# Altium PCB MB V3.PcbDoc (part 2 of 4)
Units mil, origin at the board's own origin, x right, y up, seen from the top; angles counter-clockwise.
Board outline 7875 x 7012 mil, 4 copper layers (Top Layer, Mid Top, Mid Bottom, Bottom Layer), stack 23.756 mil thick; 247 components, 228 nets, 947 pads, 302 vias.
Unrouted connection lines stored in the file: 2.
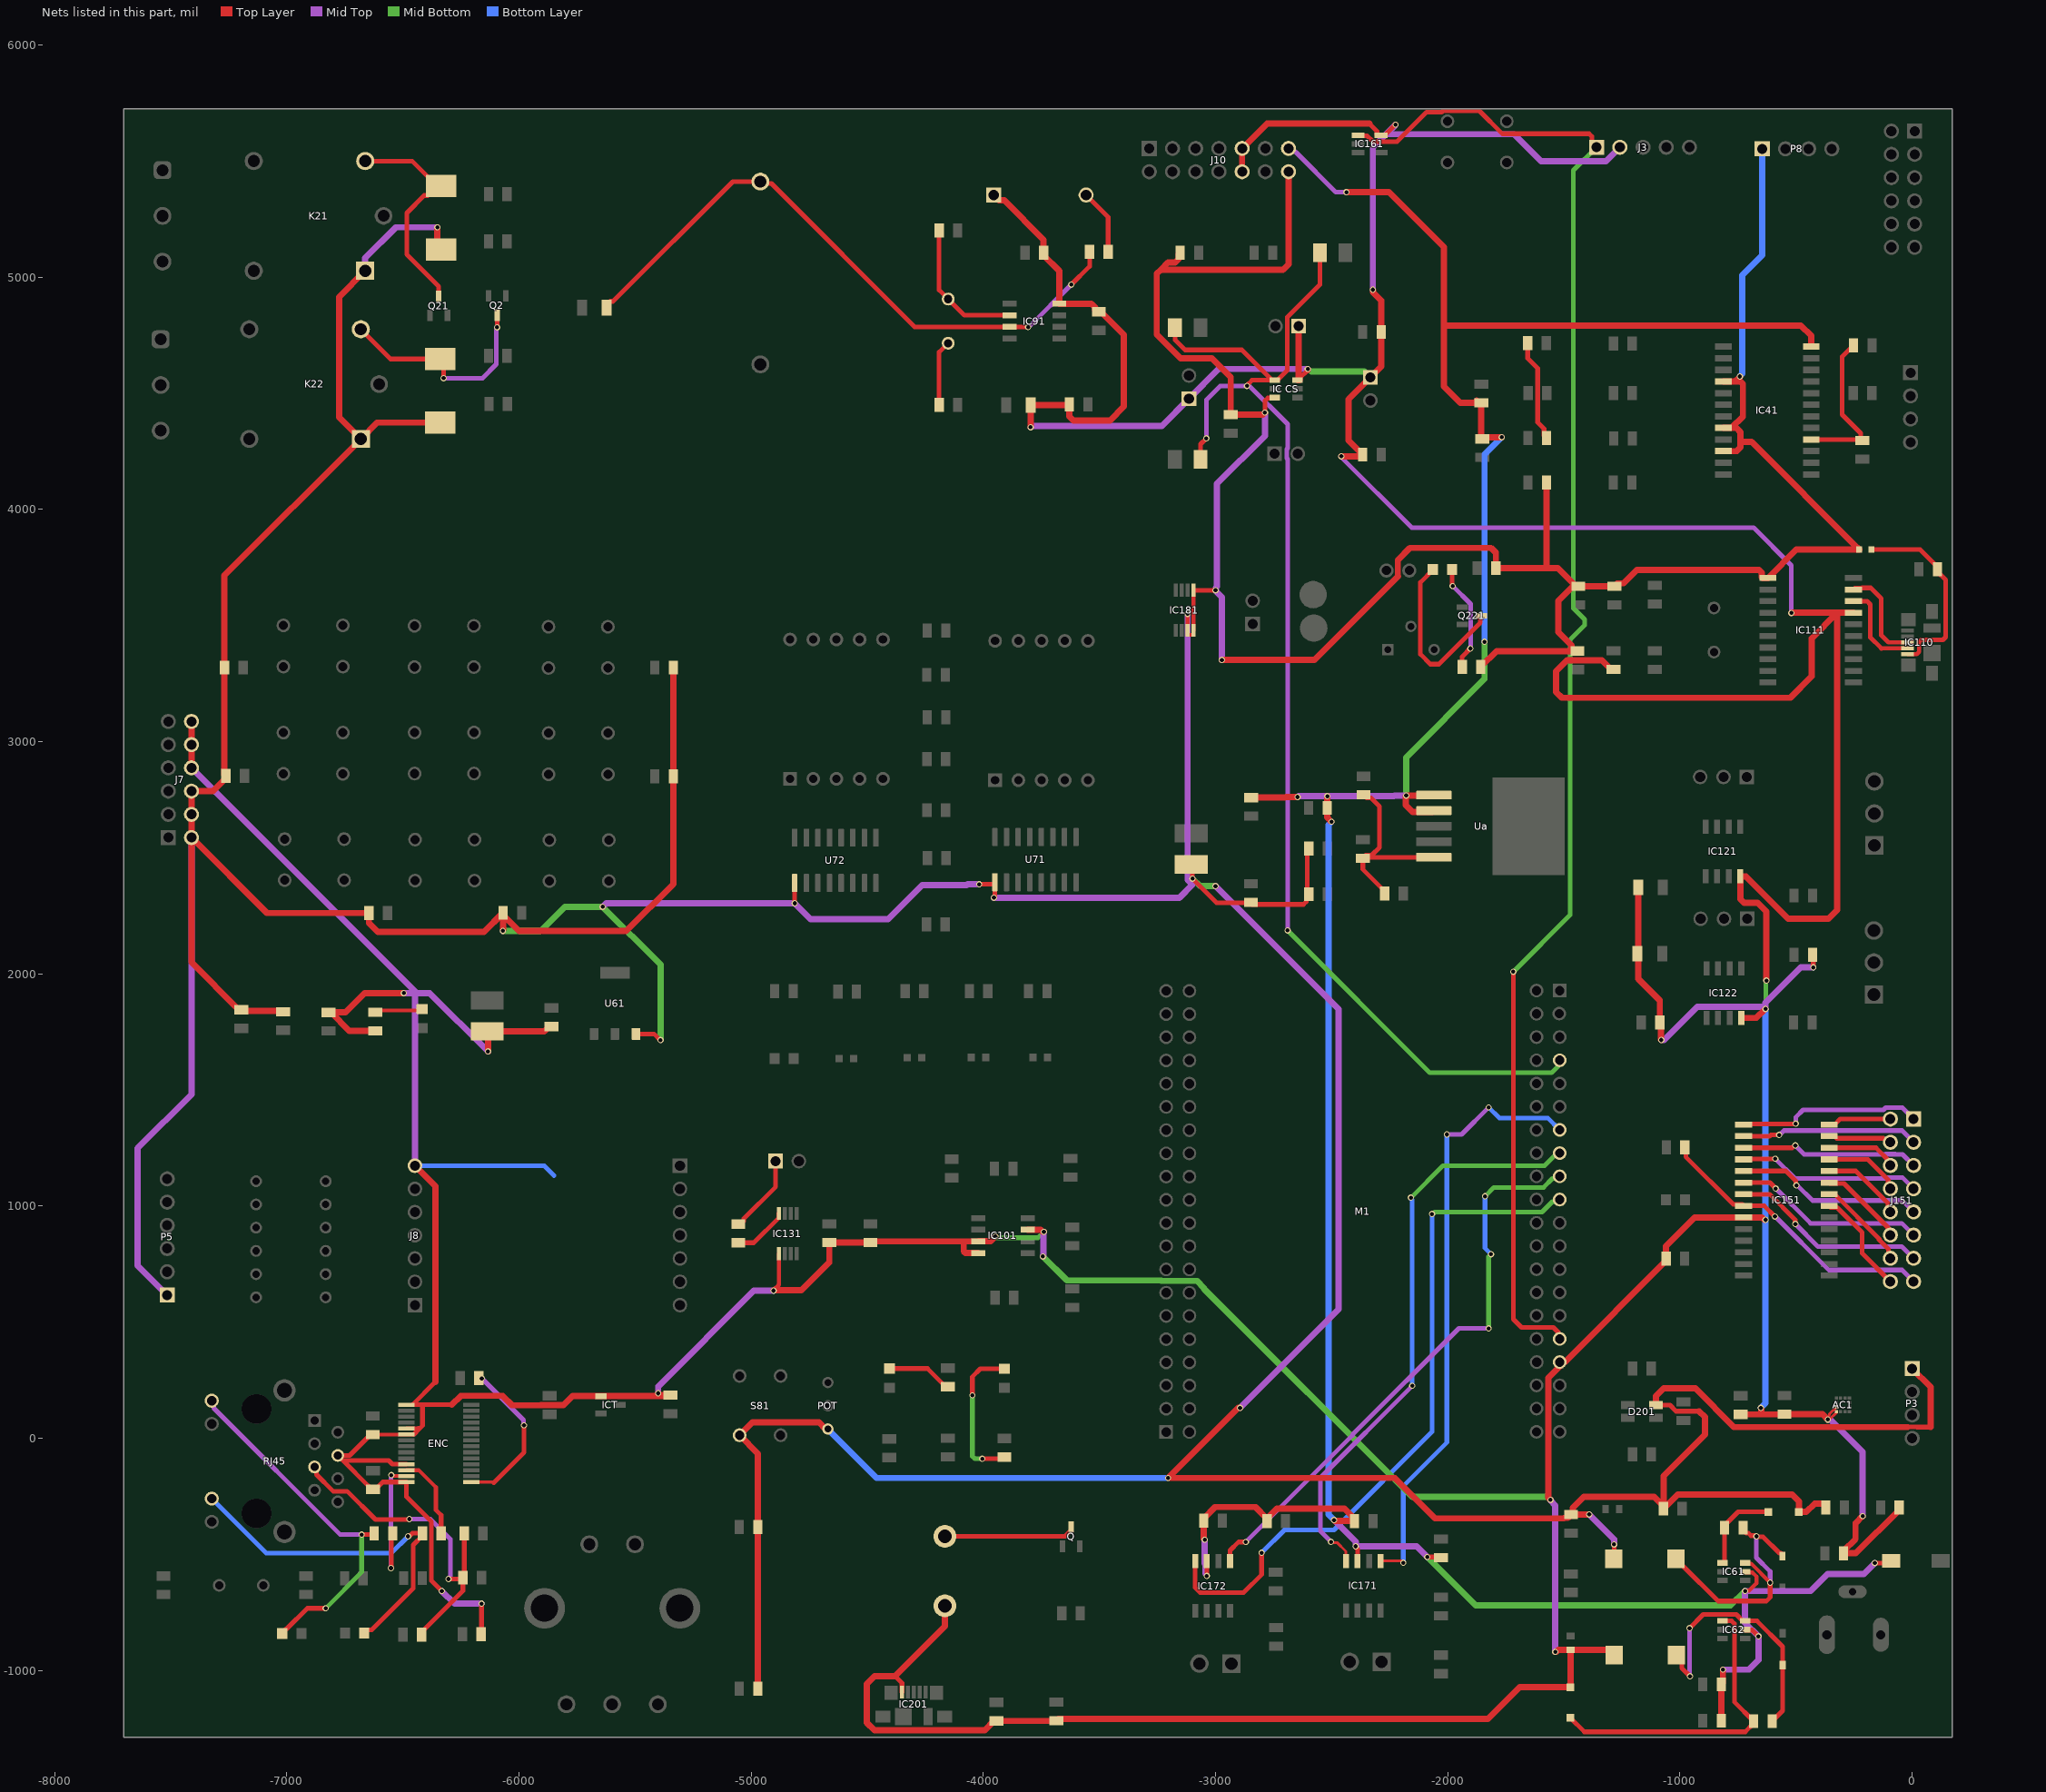
[diagram p4: the nets of this part, all layers, seen from the top]

## Part data (continued)
IC91: "Integrated Circuit", Arrow Part Number=MCP79402-I/SN, Manufacturer_Name=Microchip, Mouser Part Number=579-MCP79402ISN, Arrow Price/Stock=https://www.arrow.com/en/products/mcp79402-isn/microchip-technology, Datasheet Link=https://componentsearchengine.com/Datasheets/2/MCP79402-I_SN.pdf, Height=1.75mm, Manufacturer_Part_Number=MCP79402-I/SN, Mouser Price/Stock=https://www.mouser.co.uk/ProductDetail/Microchip-Technology-Atmel/MCP79402-I-SN?qs=ggQiQSXuoRVK%2FFI6ElTaZQ%3D%3D
IC101: "Integrated Circuit", Manufacturer_Name=Microchip, Mouser Part Number=804-25VF512A3CSAE, Arrow Part Number=SST25VF512A-33-4C-SAE, Arrow Price/Stock=https://www.arrow.com/en/products/sst25vf512a-33-4c-sae/microchip-technology?region=nac, Datasheet Link=http://ww1.microchip.com/downloads/en/DeviceDoc/25090A.pdf, Height=1.75mm, Manufacturer_Part_Number=SST25VF512A-33-4C-SAE, Mouser Price/Stock=https://www.mouser.co.uk/ProductDetail/Microchip-Technology/SST25VF512A-33-4C-SAE?qs=sPPKN8MmjErx4W822Eh6pg%3D%3D
IC110 IC201: library part 0473461001, "Connector", Manufacturer_Name=Molex, Mouser Part Number=N/A, Arrow Part Number=0473461001, Arrow Price/Stock=https://www.arrow.com/en/products/0473461001/molex?region=nac, Datasheet Link=https://componentsearchengine.com/Datasheets/1/0473461001.pdf, Height=2.45mm, Manufacturer_Part_Number=0473461001, Mouser Price/Stock=https://www.mouser.co.uk/ProductDetail/Molex/0473461001?qs=2bnkQPT%252BPafTZgGVt%2FOGfA%3D%3D
IC111: "Integrated Circuit", Arrow Part Number=MCP2200-I/SO, Manufacturer_Name=Microchip, Mouser Part Number=579-MCP2200-I/SO, Arrow Price/Stock=https://www.arrow.com/en/products/mcp2200-iso/microchip-technology?region=nac, Datasheet Link=https://datasheet.datasheetarchive.com/originals/distributors/Datasheets-DGA2/214544.pdf, Height=2.65mm, Manufacturer_Part_Number=MCP2200-I/SO, Mouser Price/Stock=https://www.mouser.co.uk/ProductDetail/Microchip-Technology-Atmel/MCP2200-I-SO?qs=kI7nsUnms46fN8L9VZlJCA%3D%3D
IC121 IC122: "Integrated Circuit", Manufacturer_Name="Texas Instruments", Mouser Part Number=595-THVD1450D, Arrow Part Number=THVD1450D, Arrow Price/Stock=https://www.arrow.com/en/products/thvd1450d/texas-instruments?region=nac, Datasheet Link=http://www.ti.com/lit/gpn/THVD1450, Height=1.75mm, Manufacturer_Part_Number=THVD1450D, Mouser Price/Stock=https://www.mouser.co.uk/ProductDetail/Texas-Instruments/THVD1450D?qs=chTDxNqvsylemUKR9F4kpw%3D%3D
IC131: "Integrated Circuit", Arrow Part Number=MCP4822-E/MS, Manufacturer_Name=Microchip, Mouser Part Number=579-MCP4822-E/MS, Arrow Price/Stock=https://www.arrow.com/en/products/mcp4822-ems/microchip-technology?region=europe, Datasheet Link=https://datasheet.datasheetarchive.com/originals/distributors/Datasheets-DGA17/911642.pdf, Height=1.1mm, Manufacturer_Part_Number=MCP4822-E/MS, Mouser Price/Stock=https://www.mouser.co.uk/ProductDetail/Microchip-Technology/MCP4822-E-MS?qs=usxtMOJb1Rzc5xsp0Zr6iQ%3D%3D
IC151: "Integrated Circuit", Arrow Part Number=MCP23017T-E/SO, Manufacturer_Name=Microchip, Mouser Part Number=579-MCP23017T-E/SO, Arrow Price/Stock=https://www.arrow.com/en/products/mcp23017t-eso/microchip-technology?region=nac, Datasheet Link=http://ww1.microchip.com/downloads/en/DeviceDoc/20001952C.pdf, Height=2.65mm, Manufacturer_Part_Number=MCP23017T-E/SO, Mouser Price/Stock=https://www.mouser.co.uk/ProductDetail/Microchip-Technology/MCP23017T-E-SO?qs=usxtMOJb1RylPfT%252BJtgE3Q%3D%3D
IC161: "Integrated Circuit", Arrow Part Number=MCP1320T-25LE/OT, Manufacturer_Name=Microchip, Mouser Part Number=579-MCP1320T-25LE/OT, Arrow Price/Stock=https://www.arrow.com/en/products/mcp1320t-25leot/microchip-technology?region=nac, Datasheet Link=https://www.arrow.com/en/products/mcp1320t-25leot/microchip-technology, Height=1.45mm, Manufacturer_Part_Number=MCP1320T-25LE/OT, Mouser Price/Stock=https://www.mouser.co.uk/ProductDetail/Microchip-Technology-Atmel/MCP1320T-25LE-OT?qs=Cv1v43EOJpq3RWxPEZurKg%3D%3D
IC171 IC172: "Integrated Circuit", Arrow Part Number=MCP2551-E/SN, Manufacturer_Name=Microchip, Mouser Part Number=579-MCP2551-E/SN, Arrow Price/Stock=https://www.arrow.com/en/products/mcp2551-esn/microchip-technology, Datasheet Link=https://datasheet.datasheetarchive.com/originals/distributors/SFDatasheet-4/sf-00090061.pdf, Height=1.75mm, Manufacturer_Part_Number=MCP2551-E/SN, Mouser Price/Stock=https://www.mouser.co.uk/ProductDetail/Microchip-Technology/MCP2551-E-SN?qs=Vn0zuzr35GHkGDCgnw0F9A%3D%3D
IC181: "Integrated Circuit", Arrow Part Number=MCP4531-103E/MS, Manufacturer_Name=Microchip, Mouser Part Number=579-MCP4531-103E/MS, Arrow Price/Stock=https://www.arrow.com/en/products/mcp4531-103ems/microchip-technology, Datasheet Link=http://ww1.microchip.com/downloads/en/DeviceDoc/22096b.pdf, Height=1.1mm, Manufacturer_Part_Number=MCP4531-103E/MS, Mouser Price/Stock=https://www.mouser.co.uk/ProductDetail/Microchip-Technology/MCP4531-103E-MS/?qs=hH%252BOa0VZEiCnxdBK%2FqmQ8g%3D%3D
"IC CS": "Integrated Circuit", Arrow Part Number=MCP6C02T-020E/CHY, Manufacturer_Name=Microchip, Mouser Part Number=579-MCP6C02T020ECHY, Arrow Price/Stock=https://www.arrow.com/en/products/mcp6c02t-020echy/microchip-technology?region=nac, Datasheet Link=https://www.arrow.com/en/products/mcp6c02t-020echy/microchip-technology, Height=1.45mm, Manufacturer_Part_Number=MCP6C02T-020E/CHY, Mouser Price/Stock=https://www.mouser.co.uk/ProductDetail/Microchip-Technology/MCP6C02T-020E-CHY?qs=PqoDHHvF64%2FP1agGSWWLsQ%3D%3D
ICT: "Integrated Circuit", Arrow Part Number=MCP9700T-E/TT, Manufacturer_Name=Microchip, Mouser Part Number=579-MCP9700T-E/TT, Arrow Price/Stock=https://www.arrow.com/en/products/mcp9700t-ett/microchip-technology?region=nac, Datasheet Link=https://datasheet.datasheetarchive.com/originals/distributors/Datasheets-DGA2/179941.pdf, Height=1.12mm, Manufacturer_Part_Number=MCP9700T-E/TT, Mouser Price/Stock=https://www.mouser.co.uk/ProductDetail/Microchip-Technology/MCP9700T-E-TT?qs=QVBMgXxBiLyzQ04uBGj3mg%3D%3D
J1: library part 61301221021, "WR-PHD Pin Header, THT, pitch 2.54mm, Dual Row, Angled, 12pin", Contact Resistance=20mOhm, Operating Temperature="-40 to +105degC", Rated Current=3A, Withstanding Voltage=500VAC, Working Voltage=250VAC, ComponentLink1Description=Manufacturer, ComponentLink1URL=http://www.we-online.de, ComponentLink2Description=Datasheet, ComponentLink2URL=https://katalog.we-online.de/em/datasheet/6130xx21021.pdf, Gender=Male, Mounting Technology=THT, Orientation=Angled, Packaging=Bag, Part Number=61301221021, Pin Number=12, Pitch=2.54mm, Published Date="June 2019", Publisher="Wurth Elektronik", Row Number=Dual
J2: library part 61300511021, "WR-PHD Pin Header, THT, pitch 2.54mm, Single Row, Angled, 5pin", Contact Resistance=20mOhm, Operating Temperature="-40 to +105degC", Rated Current=3A, Withstanding Voltage=500VAC, Working Voltage=250VAC, ComponentLink1Description=Manufacturer, ComponentLink1URL=http://www.we-online.de, ComponentLink2Description=Datasheet, ComponentLink2URL=https://katalog.we-online.de/em/datasheet/6130xx11021.pdf, Gender=Male, Mounting Technology=THT, Orientation=Angled, Packaging=Bag, Part Number=61300511021, Pin Number=5, Pitch=2.54mm, Published Date="June 2019", Publisher="Wurth Elektronik", Row Number=Single
J3: library part 61300211121, "WR-PHD Pin Header, THT, pitch 2.54mm, Single Row, Vertical, 2pin", Contact Resistance=20mOhm, Operating Temperature="-40 to +105degC", Rated Current=3A, Withstanding Voltage=500VAC, Working Voltage=250VAC, ComponentLink1Description=Manufacturer, ComponentLink1URL=http://www.we-online.de, ComponentLink2Description=Datasheet, ComponentLink2URL=https://katalog.we-online.de/em/datasheet/6130xx11121.pdf, Gender=Male, Mounting Technology=THT, Orientation=Vertical, Packaging=Bag, Part Number=61300211121, Pin Number=2, Pitch=2.54mm, Published Date="June 2019", Publisher="Wurth Elektronik", Row Number=Single
J4 J131 J181: "WR-PHD Pin Header, THT, pitch 2.54mm, Single Row, Vertical, 2pin", Contact Resistance=20mOhm, Operating Temperature="-40 to +105degC", Rated Current=3A, Withstanding Voltage=500VAC, Working Voltage=250VAC, ComponentLink1Description=Manufacturer, ComponentLink1URL=http://www.we-online.de, ComponentLink2Description=Datasheet, ComponentLink2URL=https://katalog.we-online.de/em/datasheet/6130xx11121.pdf, Gender=Male, Mounting Technology=THT, Orientation=Vertical, Packaging=Bag, Part Number=61300211121, Pin Number=2, Pitch=2.54mm, Published Date="June 2019", Publisher="Wurth Elektronik", Row Number=Single
J7 P6: "WR-PHD Pin Header, THT, pitch 2.54mm, Dual Row, Angled, 12pin", Contact Resistance=20mOhm, Operating Temperature="-40 to +105degC", Rated Current=3A, Withstanding Voltage=500VAC, Working Voltage=250VAC, ComponentLink1Description=Manufacturer, ComponentLink1URL=http://www.we-online.de, ComponentLink2Description=Datasheet, ComponentLink2URL=https://katalog.we-online.de/em/datasheet/6130xx21021.pdf, Gender=Male, Mounting Technology=THT, Orientation=Angled, Packaging=Bag, Part Number=61301221021, Pin Number=12, Pitch=2.54mm, Published Date="June 2019", Publisher="Wurth Elektronik", Row Number=Dual
J8: library part 61300111121, "WR-PHD Pin Header, THT, pitch 2.54mm, Single Row, Vertical, 1pin", Contact Resistance=20mOhm, Operating Temperature="-40 to +105degC", Rated Current=3A, Withstanding Voltage=500VAC, Working Voltage=250VAC, ComponentLink1Description=Manufacturer, ComponentLink1URL=http://www.we-online.de, ComponentLink2Description=Datasheet, ComponentLink2URL=https://katalog.we-online.de/em/datasheet/6130xx11121.pdf, Gender=Male, Mounting Technology=THT, Orientation=Vertical, Packaging=Bag, Part Number=61300111121, Pin Number=1, Pitch=2.54mm, Published Date="June 2019", Publisher="Wurth Elektronik", Row Number=Single
J9: "WR-PHD Pin Header, THT, pitch 2.54mm, Single Row, Vertical, 7pin", Contact Resistance=20mOhm, Operating Temperature="-40 to +105degC", Rated Current=3A, Withstanding Voltage=500VAC, Working Voltage=250VAC, ComponentLink1Description=Manufacturer, ComponentLink1URL=http://www.we-online.de, ComponentLink2Description=Datasheet, ComponentLink2URL=https://katalog.we-online.de/em/datasheet/6130xx11121.pdf, Gender=Male, Mounting Technology=THT, Orientation=Vertical, Packaging=Bag, Part Number=61300711121, Pin Number=7, Pitch=2.54mm, Published Date="June 2019", Publisher="Wurth Elektronik", Row Number=Single
J10: "WR-PHD Pin Header, THT, pitch 2.54mm, Dual Row, Angled, 14pin", Contact Resistance=20mOhm, Operating Temperature="-40 to +105degC", Rated Current=3A, Withstanding Voltage=500VAC, Working Voltage=250VAC, ComponentLink1Description=Manufacturer, ComponentLink1URL=http://www.we-online.de, ComponentLink2Description=Datasheet, ComponentLink2URL=https://katalog.we-online.de/em/datasheet/6130xx21021.pdf, Gender=Male, Mounting Technology=THT, Orientation=Angled, Packaging=Bag, Part Number=61301421021, Pin Number=14, Pitch=2.54mm, Published Date="June 2019", Publisher="Wurth Elektronik", Row Number=Dual
J21 J22: "WR-TBL Series 101 Horizontal Entry Modular, THT, pitch 5mm, 3p", Manufacturer="Wurth Elektronik", Operating Temperature Max=105°C, Operating Temperature Min=-40°C, Rated Current=16A, Working Voltage=250V, Application="Pressure Clamp", Category="Terminal Blocks", ComponentLink1Description="Website Link", ComponentLink1URL=https://www.we-online.com/redexpert/article/691101710003?ad, ComponentLink2Description="Datasheet Link", ComponentLink2URL=https://www.we-online.com/redexpert/spec/691101710003?ad, Manufacturer Part Number=691101710003, Match Code=WR-TBL, Modularity=Yes, Mount="Through Hole", Number of Pins=3, Number of Rows=1, Orientation=Horizontal, Packaging=Box, Pitch=5mm
J23: library part 61300211821, "WR-PHD Socket Header, THT, pitch 2.54mm, Single Row, Vertical, 2pin", Contact Resistance=20mOhm, Operating Temperature="-40 to +125degC", Rated Current=3A, Withstanding Voltage=500VAC, Working Voltage=250VAC, ComponentLink1Description=Manufacturer, ComponentLink1URL=http://www.we-online.de, ComponentLink2Description=Datasheet, ComponentLink2URL=https://katalog.we-online.de/em/datasheet/6130xx11821.pdf, Gender=Female, Mounting Technology=THT, Orientation=Vertical, Packaging=Tray, Part Number=61300211821, Pin Number=2, Pitch=2.54mm, Published Date="June 2019", Publisher="Wurth Elektronik", Row Number=Single
J121 J122: "Connector", Manufacturer_Name="TE Connectivity", Mouser Part Number=571-284512-3, Arrow Part Number=284512-3, Arrow Price/Stock=https://www.arrow.com/en/products/284512-3/te-connectivity?region=nac, Datasheet Link=https://www.te.com/commerce/DocumentDelivery/DDEController?Action=showdoc&DocId=Customer+Drawing%7F284512%7FE4%7Fpdf%7FEnglish%7FENG_CD_284512_E4.pdf%7F284512-3, Height=7.45mm, Manufacturer_Part_Number=284512-3, Mouser Price/Stock=https://www.mouser.co.uk/ProductDetail/TE-Connectivity/284512-3?qs=woBvfblj%2Fzwah7g8QvojCQ%3D%3D
J125 J126: "WR-PHD Pin Header, THT, pitch 2.54mm, Single Row, Vertical, 3pin", Contact Resistance=20mOhm, Operating Temperature="-40 to +105degC", Rated Current=3A, Withstanding Voltage=500VAC, Working Voltage=250VAC, ComponentLink1Description=Manufacturer, ComponentLink1URL=http://www.we-online.de, ComponentLink2Description=Datasheet, ComponentLink2URL=https://katalog.we-online.de/em/datasheet/6130xx11121.pdf, Gender=Male, Mounting Technology=THT, Orientation=Vertical, Packaging=Bag, Part Number=61300311121, Pin Number=3, Pitch=2.54mm, Published Date="June 2019", Publisher="Wurth Elektronik", Row Number=Single
J151: "WR-PHD Pin Header, THT, pitch 2.54mm, Dual Row, Angled, 16pin", Contact Resistance=20mOhm, Operating Temperature="-40 to +105degC", Rated Current=3A, Withstanding Voltage=500VAC, Working Voltage=250VAC, ComponentLink1Description=Manufacturer, ComponentLink1URL=http://www.we-online.de, ComponentLink2Description=Datasheet, ComponentLink2URL=https://katalog.we-online.de/em/datasheet/6130xx21021.pdf, Gender=Male, Mounting Technology=THT, Orientation=Angled, Packaging=Bag, Part Number=61301621021, Pin Number=16, Pitch=2.54mm, Published Date="June 2019", Publisher="Wurth Elektronik", Row Number=Dual
J171 J172: "Connector", Manufacturer_Name="Phoenix Contact", Mouser Part Number=651-1844210, Arrow Part Number=1844210, Arrow Price/Stock=https://www.arrow.com/en/products/1844210/phoenix-contact?region=nac, Datasheet Link=http://www.phoenixcontact.com/gb/produkte/1844210, Height=8.25mm, Manufacturer_Part_Number=1844210, Mouser Price/Stock=https://www.mouser.co.uk/ProductDetail/Phoenix-Contact/1844210?qs=8BCRtFWWXORb3OQRdxIGVQ%3D%3D
L61 L62: "Inductor", Manufacturer_Name=Eaton, Mouser Part Number=704-DR73-150-R, Arrow Part Number=DR73-150-R, Arrow Price/Stock=https://www.arrow.com/en/products/dr73-150-r/eaton?region=nac, Datasheet Link=https://componentsearchengine.com/Datasheets/2/DR73-150-R.pdf, Height=3.55mm, Manufacturer_Part_Number=DR73-150-R, Mouser Price/Stock=https://www.mouser.co.uk/ProductDetail/Coiltronics-Eaton/DR73-150-R?qs=yzwxPInThYRaVHn%252B9CUUFw%3D%3D
LA LB: library part 744045391, "WE-LQ SMT Inductor, size 1812, 390uH, 0.11A", DC Resistance max.=13Ohm, Inductance=390uH, Manufacturer="Wurth Elektronik", Operating Temperature="-40 to +125degC", Rated Current=0.11A, Saturation Current=0.27A, Self Resonant Frequency=5MHz, ComponentLink1Description=Manufacturer, ComponentLink1URL=http://www.we-online.de, ComponentLink2Description=Datasheet, ComponentLink2URL=https://www.we-online.com/catalog/datasheet/744045391.pdf, Manufacturer Part Number=744045391, Mounting Technology=SMT, Packaging="Tape and Reel", Published Date="April 2020", Q-Factor=50, Size=1812
M1: "MCU CARD -PIC18F97J94 FOR mother board"
P3: library part 61300611021, "WR-PHD Pin Header, THT, pitch 2.54mm, Single Row, Angled, 6pin", Contact Resistance=20mOhm, Operating Temperature="-40 to +105degC", Rated Current=3A, Withstanding Voltage=500VAC, Working Voltage=250VAC, ComponentLink1Description=Manufacturer, ComponentLink1URL=http://www.we-online.de, ComponentLink2Description=Datasheet, ComponentLink2URL=https://katalog.we-online.de/em/datasheet/6130xx11021.pdf, Gender=Male, Mounting Technology=THT, Orientation=Angled, Packaging=Bag, Part Number=61300611021, Pin Number=6, Pitch=2.54mm, Published Date="June 2019", Publisher="Wurth Elektronik", Row Number=Single
P4 P8: "WR-PHD Pin Header, THT, pitch 2.54mm, Single Row, Angled, 4pin", Contact Resistance=20mOhm, Operating Temperature="-40 to +105degC", Rated Current=3A, Withstanding Voltage=500VAC, Working Voltage=250VAC, ComponentLink1Description=Manufacturer, ComponentLink1URL=http://www.we-online.de, ComponentLink2Description=Datasheet, ComponentLink2URL=https://katalog.we-online.de/em/datasheet/6130xx11021.pdf, Gender=Male, Mounting Technology=THT, Orientation=Angled, Packaging=Bag, Part Number=61300411021, Pin Number=4, Pitch=2.54mm, Published Date="June 2019", Publisher="Wurth Elektronik", Row Number=Single
P5: library part 61200821621, "Male Box Header WR-BHD, THT, Vertical, pitch 2.54 mm, 8 pins", Contact Resistance="20 mOhm", Operating Temperature="-40 to 125 degC", Withstanding Voltage="500 VAC", Working Voltage="250 VAC", ComponentLink1Description=Manufacturer, ComponentLink1URL=http://www.we-online.de, ComponentLink2Description=Datasheet, ComponentLink2URL=https://katalog.we-online.de/em/datasheet/6120xx21621.pdf, Gender=Male, Mounting Technology=THT, Orientation=Vertical, Packaging=Tray, Part Number=61200821621, Pin Number=8, Pitch="2.54 mm", Published Date="August 2018", Publisher="Wurth Elektronik"
POT: "Resistor", Manufacturer_Name=Bourns, Mouser Part Number=652-3296W-1-101LF, Arrow Part Number=3296W-1-101LF, Arrow Price/Stock=https://www.arrow.com/en/products/3296w-1-101lf/bourns?region=nac, Datasheet Link=https://www.bourns.com/pdfs/3296.pdf, Manufacturer_Part_Number=3296W-1-101LF, Mouser Price/Stock=https://www.mouser.co.uk/ProductDetail/Bourns/3296W-1-101LF?qs=UcU9LKO1dwEefwKxVJG4Jw%3D%3D
Q Q2 Q21 Q221: library part S12302DS, "S12302DS Nchanel SMD SOT-23. VDS MAX 20. 400Ma DI"
R21 R22 R23 R24 R41 R42 R43 R51 R52 R53 R54 R55 R56 R61 R62 R71 R72 R73 R74 R75 R76 R77 R81 R82 R83 R84 R91 R93 R94 R95 R101 R102 R103 R104 R105 R106 R111 R121 R122 R123 R124 R141 R142 R143 R144 R145 R146 R147 R148 R151 R152 R171 R172 R173 R174 R191 R192 R201 R202 RA RA1 RB RB1 RD RG RG1 RG2 RG3 RG4 RG5 RL RR RW: library part ERJ-6ENF1001V, "RES SMD 1K OHM 1% 1/8W 0805", Digi-Key Part Number=P1.00KCCT-ND, Manufacturer="Panasonic Electronic Components", Operating Temperature="-55°C ~ 155°C", Package / Case="0805 (2012 Metric)", Power (Watts)="0.125W, 1/8W", Supplier Device Package=0805, Temperature Coefficient=±100ppm/°C, Tolerance=±1%, @ qty=1500, Composition="Thick Film", Datasheets=http://industrial.panasonic.com/www-cgi/jvcr13pz.cgi?E+PZ+3+AOA0002+ERJ6ENF1001V+7+WW, Factory Stock=0, Failure Rate=-, Features="Automotive AEC-Q200", Height - Seated (Max)="0.028\" (0.70mm)", Image=//media.digikey.com/Renders/Panasonic%20Renders/ERJ-0805%20Pkg.jpg, Minimum Quantity=1, Number of Terminations=2, Packaging="Cut Tape (CT)", Part Number=ERJ-6ENF1001V, Part Status=Active, Quantity Available=12895103, Series=ERJ, Size / Dimension="0.079\" L x 0.049\" W (2.00mm x 1.25mm)", Unit Price (USD)=0.00729
R44 R45: library part ERJ-6ENF49R9V, "RES SMD 49.9 OHM 1% 1/8W 0805", Digi-Key Part Number=P49.9CCT-ND, Manufacturer="Panasonic Electronic Components", Operating Temperature="-55°C ~ 155°C", Package / Case="0805 (2012 Metric)", Power (Watts)="0.125W, 1/8W", Supplier Device Package=0805, Temperature Coefficient=±100ppm/°C, Tolerance=±1%, @ qty=1500, Composition="Thick Film", Datasheets=http://industrial.panasonic.com/www-cgi/jvcr13pz.cgi?E+PZ+3+AOA0002+ERJ6ENF49R9V+7+WW, Factory Stock=0, Failure Rate=-, Features="Automotive AEC-Q200", Height - Seated (Max)="0.028\" (0.70mm)", Image=//media.digikey.com/Renders/Panasonic%20Renders/ERJ-0805%20Pkg.jpg, Minimum Quantity=1, Number of Terminations=2, Packaging="Cut Tape (CT)", Part Number=ERJ-6ENF49R9V, Part Status=Active, Quantity Available=574999, Series=ERJ, Size / Dimension="0.079\" L x 0.049\" W (2.00mm x 1.25mm)", Unit Price (USD)=0.00729
R46: library part ERJ-6ENF2321V, "RES SMD 2.32K OHM 1% 1/8W 0805", Digi-Key Part Number=P2.32KCCT-ND, Manufacturer="Panasonic Electronic Components", Operating Temperature="-55°C ~ 155°C", Package / Case="0805 (2012 Metric)", Power (Watts)="0.125W, 1/8W", Supplier Device Package=0805, Temperature Coefficient=±100ppm/°C, Tolerance=±1%, @ qty=1500, Composition="Thick Film", Datasheets=http://industrial.panasonic.com/www-cgi/jvcr13pz.cgi?E+PZ+3+AOA0002+ERJ6ENF2321V+7+WW, Factory Stock=0, Failure Rate=-, Features="Automotive AEC-Q200", Height - Seated (Max)="0.028\" (0.70mm)", Image=//media.digikey.com/Renders/Panasonic%20Renders/ERJ-0805%20Pkg.jpg, Minimum Quantity=1, Number of Terminations=2, Packaging="Cut Tape (CT)", Part Number=ERJ-6ENF2321V, Part Status=Active, Quantity Available=67004, Series=ERJ, Size / Dimension="0.079\" L x 0.049\" W (2.00mm x 1.25mm)", Unit Price (USD)=0.00729
R63: library part ERJ-S6SJR10V, "RES SMD 0.1 OHM 5% 1/4W 0805", Digi-Key Part Number=P.1BKCT-ND, Manufacturer="Panasonic Electronic Components", Operating Temperature="-55°C ~ 155°C", Package / Case="0805 (2012 Metric)", Power (Watts)="0.25W, 1/4W", Supplier Device Package=0805, Temperature Coefficient=±150ppm/°C, Tolerance=±5%, @ qty=1500, Composition="Thick Film", Datasheets=https://industrial.panasonic.com/cdbs/www-data/pdf/RDA0000/AOA0000CE5.pdf, Factory Stock=0, Failure Rate=-, Features="Anti-Sulfur, Automotive AEC-Q200", Height - Seated (Max)="0.026\" (0.65mm)", Image=//media.digikey.com/Renders/Panasonic%20Renders/ERJ-0805%20Pkg.jpg, Minimum Quantity=1, Number of Terminations=2, Packaging="Cut Tape (CT)", Part Number=ERJ-S6SJR10V, Part Status=Active, Quantity Available=10102, Series=ERJ, Size / Dimension="0.079\" L x 0.049\" W (2.00mm x 1.25mm)", Unit Price (USD)=0.07603
R64: "Resistor", LatestRevisionDate=29-May-2009, LatestRevisionNote="IPC-7351 Footprint Added.", PackageDescription="Chip Resistor", PackageReference=J1-0603, Published=8-Jun-2000, Publisher="Altium Limited"
R221 R225: library part ERJ-P6WJ105V, "RES SMD 1M OHM 5% 1/2W 0805", Digi-Key Part Number=P16990CT-ND, Manufacturer="Panasonic Electronic Components", Operating Temperature="-55°C ~ 155°C", Package / Case="0805 (2012 Metric)", Power (Watts)="0.5W, 1/2W", Supplier Device Package=0805, Temperature Coefficient=±200ppm/°C, Tolerance=±5%, @ qty=1500, Composition="Thick Film", Datasheets=https://industrial.panasonic.com/cdbs/www-data/pdf/RDA0000/AOA0000C243.pdf, Factory Stock=0, Failure Rate=-, Features="Automotive AEC-Q200, Pulse Withstanding", Height - Seated (Max)="0.030\" (0.75mm)", Image=//media.digikey.com/Renders/Panasonic%20Renders/ERJ-0805%20Pkg.jpg, Minimum Quantity=1, Number of Terminations=2, Packaging="Cut Tape (CT)", Part Number=ERJ-P6WJ105V, Part Status=Active, Quantity Available=3210, Series=ERJ, Size / Dimension="0.079\" L x 0.049\" W (2.00mm x 1.25mm)", Unit Price (USD)=0.08237
R222 R223 R224: library part ERJ-8BQFR22V, "RES SMD 0.22 OHM 1% 1/2W 1206", Digi-Key Part Number=P17624CT-ND, Manufacturer="Panasonic Electronic Components", Operating Temperature="-55°C ~ 125°C", Package / Case="1206 (3216 Metric)", Power (Watts)="0.5W, 1/2W", Supplier Device Package=1206, Temperature Coefficient=±250ppm/°C, Tolerance=±1%, @ qty=1500, Composition="Thick Film", Datasheets=https://industrial.panasonic.com/cdbs/www-data/pdf/RDA0000/AOA0000C239.pdf, Factory Stock=0, Failure Rate=-, Features="Automotive AEC-Q200, Current Sense", Height - Seated (Max)="0.028\" (0.70mm)", Image=//media.digikey.com/Renders/Panasonic%20Renders/ERJ-1206%20Pkg.jpg, Minimum Quantity=1, Number of Terminations=2, Packaging="Cut Tape (CT)", Part Number=ERJ-8BQFR22V, Part Status=Active, Quantity Available=11511, Series=ERJ, Size / Dimension="0.126\" L x 0.063\" W (3.20mm x 1.60mm)", Unit Price (USD)=0.05778
S1: "WS-DITV Compact THT Dip Switch, Flat Actuator, pitch 2.54mm, 6p", Operating Temperature="-40 to +85degC", Rated Current Non-Switching=100mA, Rated Current Switching=25mA, Rated Voltage Non-Switching=50VDC, Rated Voltage Switching=24VDC, Actuator Type="Flat Type", Circuit=SPST-NO, ComponentLink1Description=Manufacturer, ComponentLink1URL=http://www.we-online.de, ComponentLink2Description=Datasheet, ComponentLink2URL=https://katalog.we-online.com/em/datasheet/418117170906.pdf, Contact Material="Copper Alloy", Contact Plating=Gold, Mounting Technology=THT, Operation Force=800g, Packaging=Tube, Part Number=418117170906, Pitch=2.54mm, Pole Number=6, Published Date="September 2019", Publisher="Wurth Elektronik"
S41 S42 S43 S44 S45 S46 S47 S48 S49 S81 S161: "WS-TATV THT Tact Switch 6x6mm, height 4.3mm, 260gf", Operating Temperature="-40 to +85degC", Rated Current=50mA, Rated Voltage=12VDC, ComponentLink1Description=Manufacturer, ComponentLink1URL=http://www.we-online.de, ComponentLink2Description=Datasheet, ComponentLink2URL=https://katalog.we-online.com/em/datasheet/430156043726.pdf, Contact Material="Stainless Steel", Contact Plating=Silver, Height=4.3mm, Mounting Technology=THT, Operation Force=260gf, Packaging=Bulk, Part Number=430156043726, Published Date="September 2019", Publisher="Wurth Elektronik", Terminal Material="Copper Alloy", Terminal Plating=Silver, Washable=No
S51: "WS-TASV J-Bend SMT Tact Switch 6x3.5mm, height 4.3mm, 260gf", Operating Temperature="-40 to +85degC", Rated Current=50mA, Rated Voltage=12VDC, ComponentLink1Description=Manufacturer, ComponentLink1URL=http://www.we-online.de, ComponentLink2Description=Datasheet, ComponentLink2URL=https://katalog.we-online.com/em/datasheet/434113043826.pdf, Contact Material="Stainless Steel", Contact Plating=Silver, Height=4.3mm, Mounting Technology=SMT, Operation Force=260gf, Packaging="Tape and Reel", Part Number=434113043826, Published Date="September 2019", Publisher="Wurth Elektronik", Terminal Material="Copper Alloy", Terminal Plating=Silver, Washable=No